# Altium PCB Traffic_Lignt_CU.PcbDoc (part 1 of 3)
Units mm, origin at the board's own origin, x right, y up, seen from the top; angles counter-clockwise.
Board outline 143.95 x 111.95 mm, 2 copper layers (Top Layer, Bottom Layer); 302 components, 196 nets, 839 pads, 465 vias.
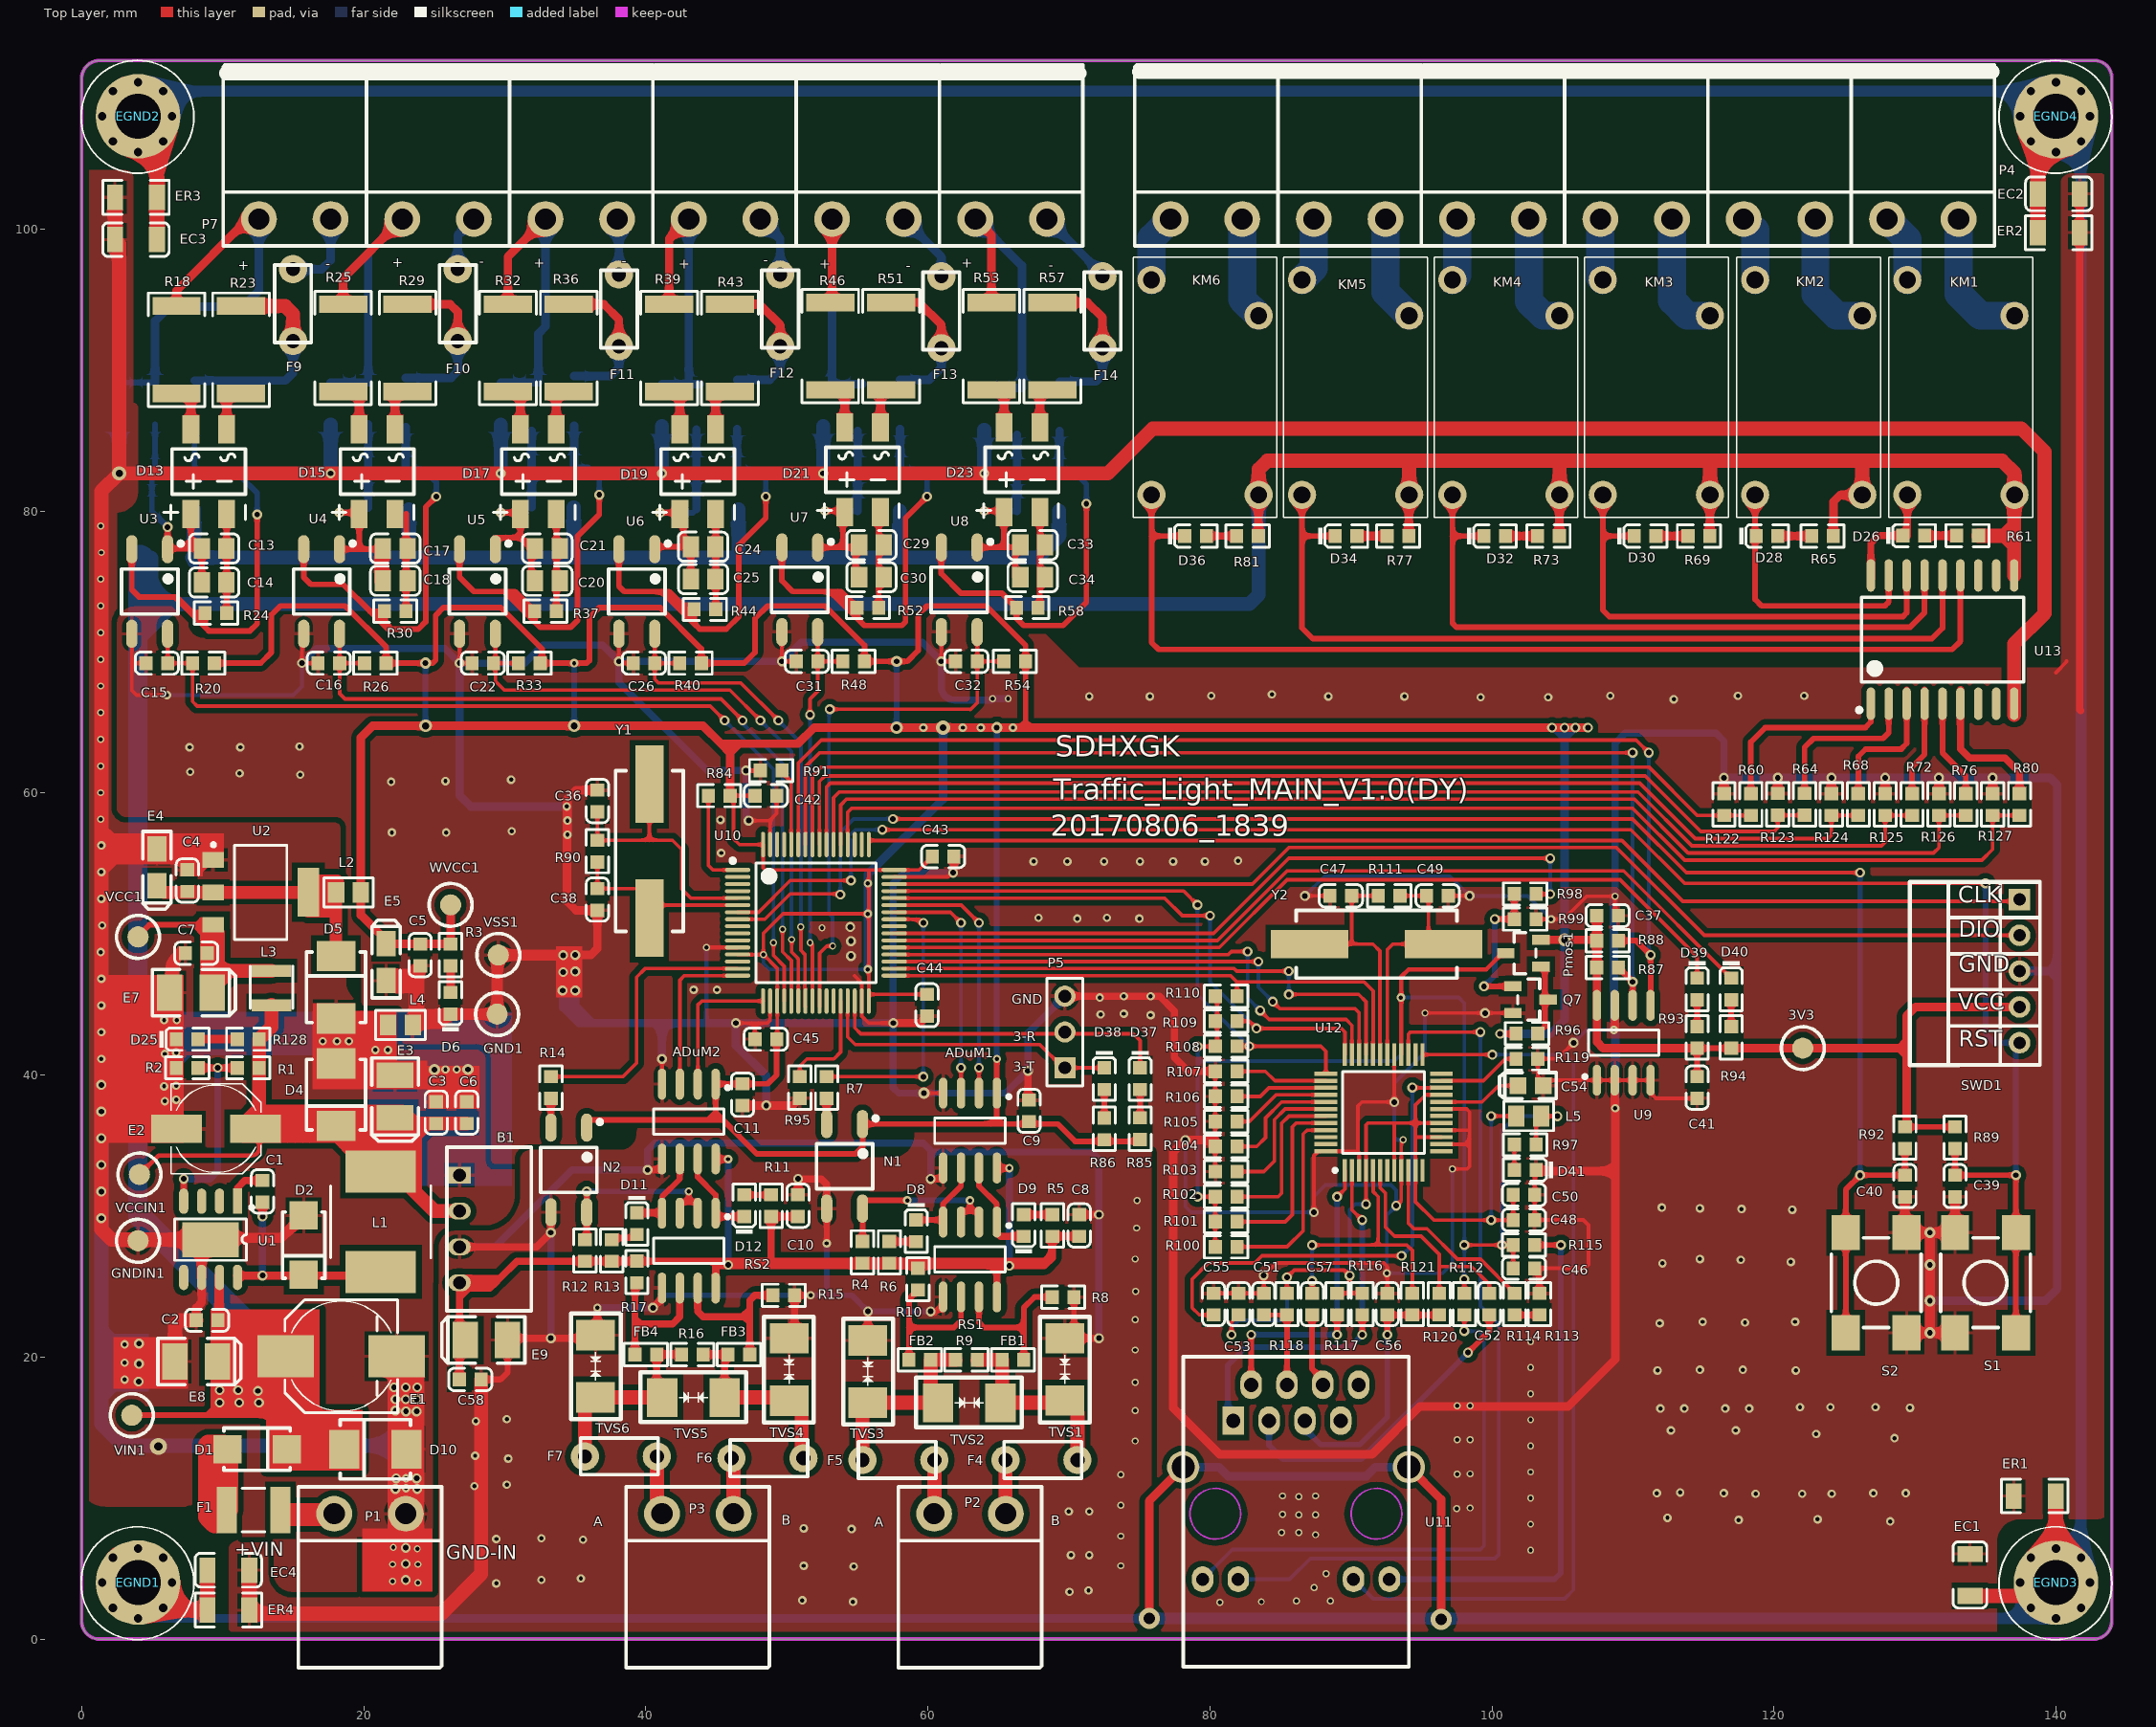
[diagram p0: Top Layer view]
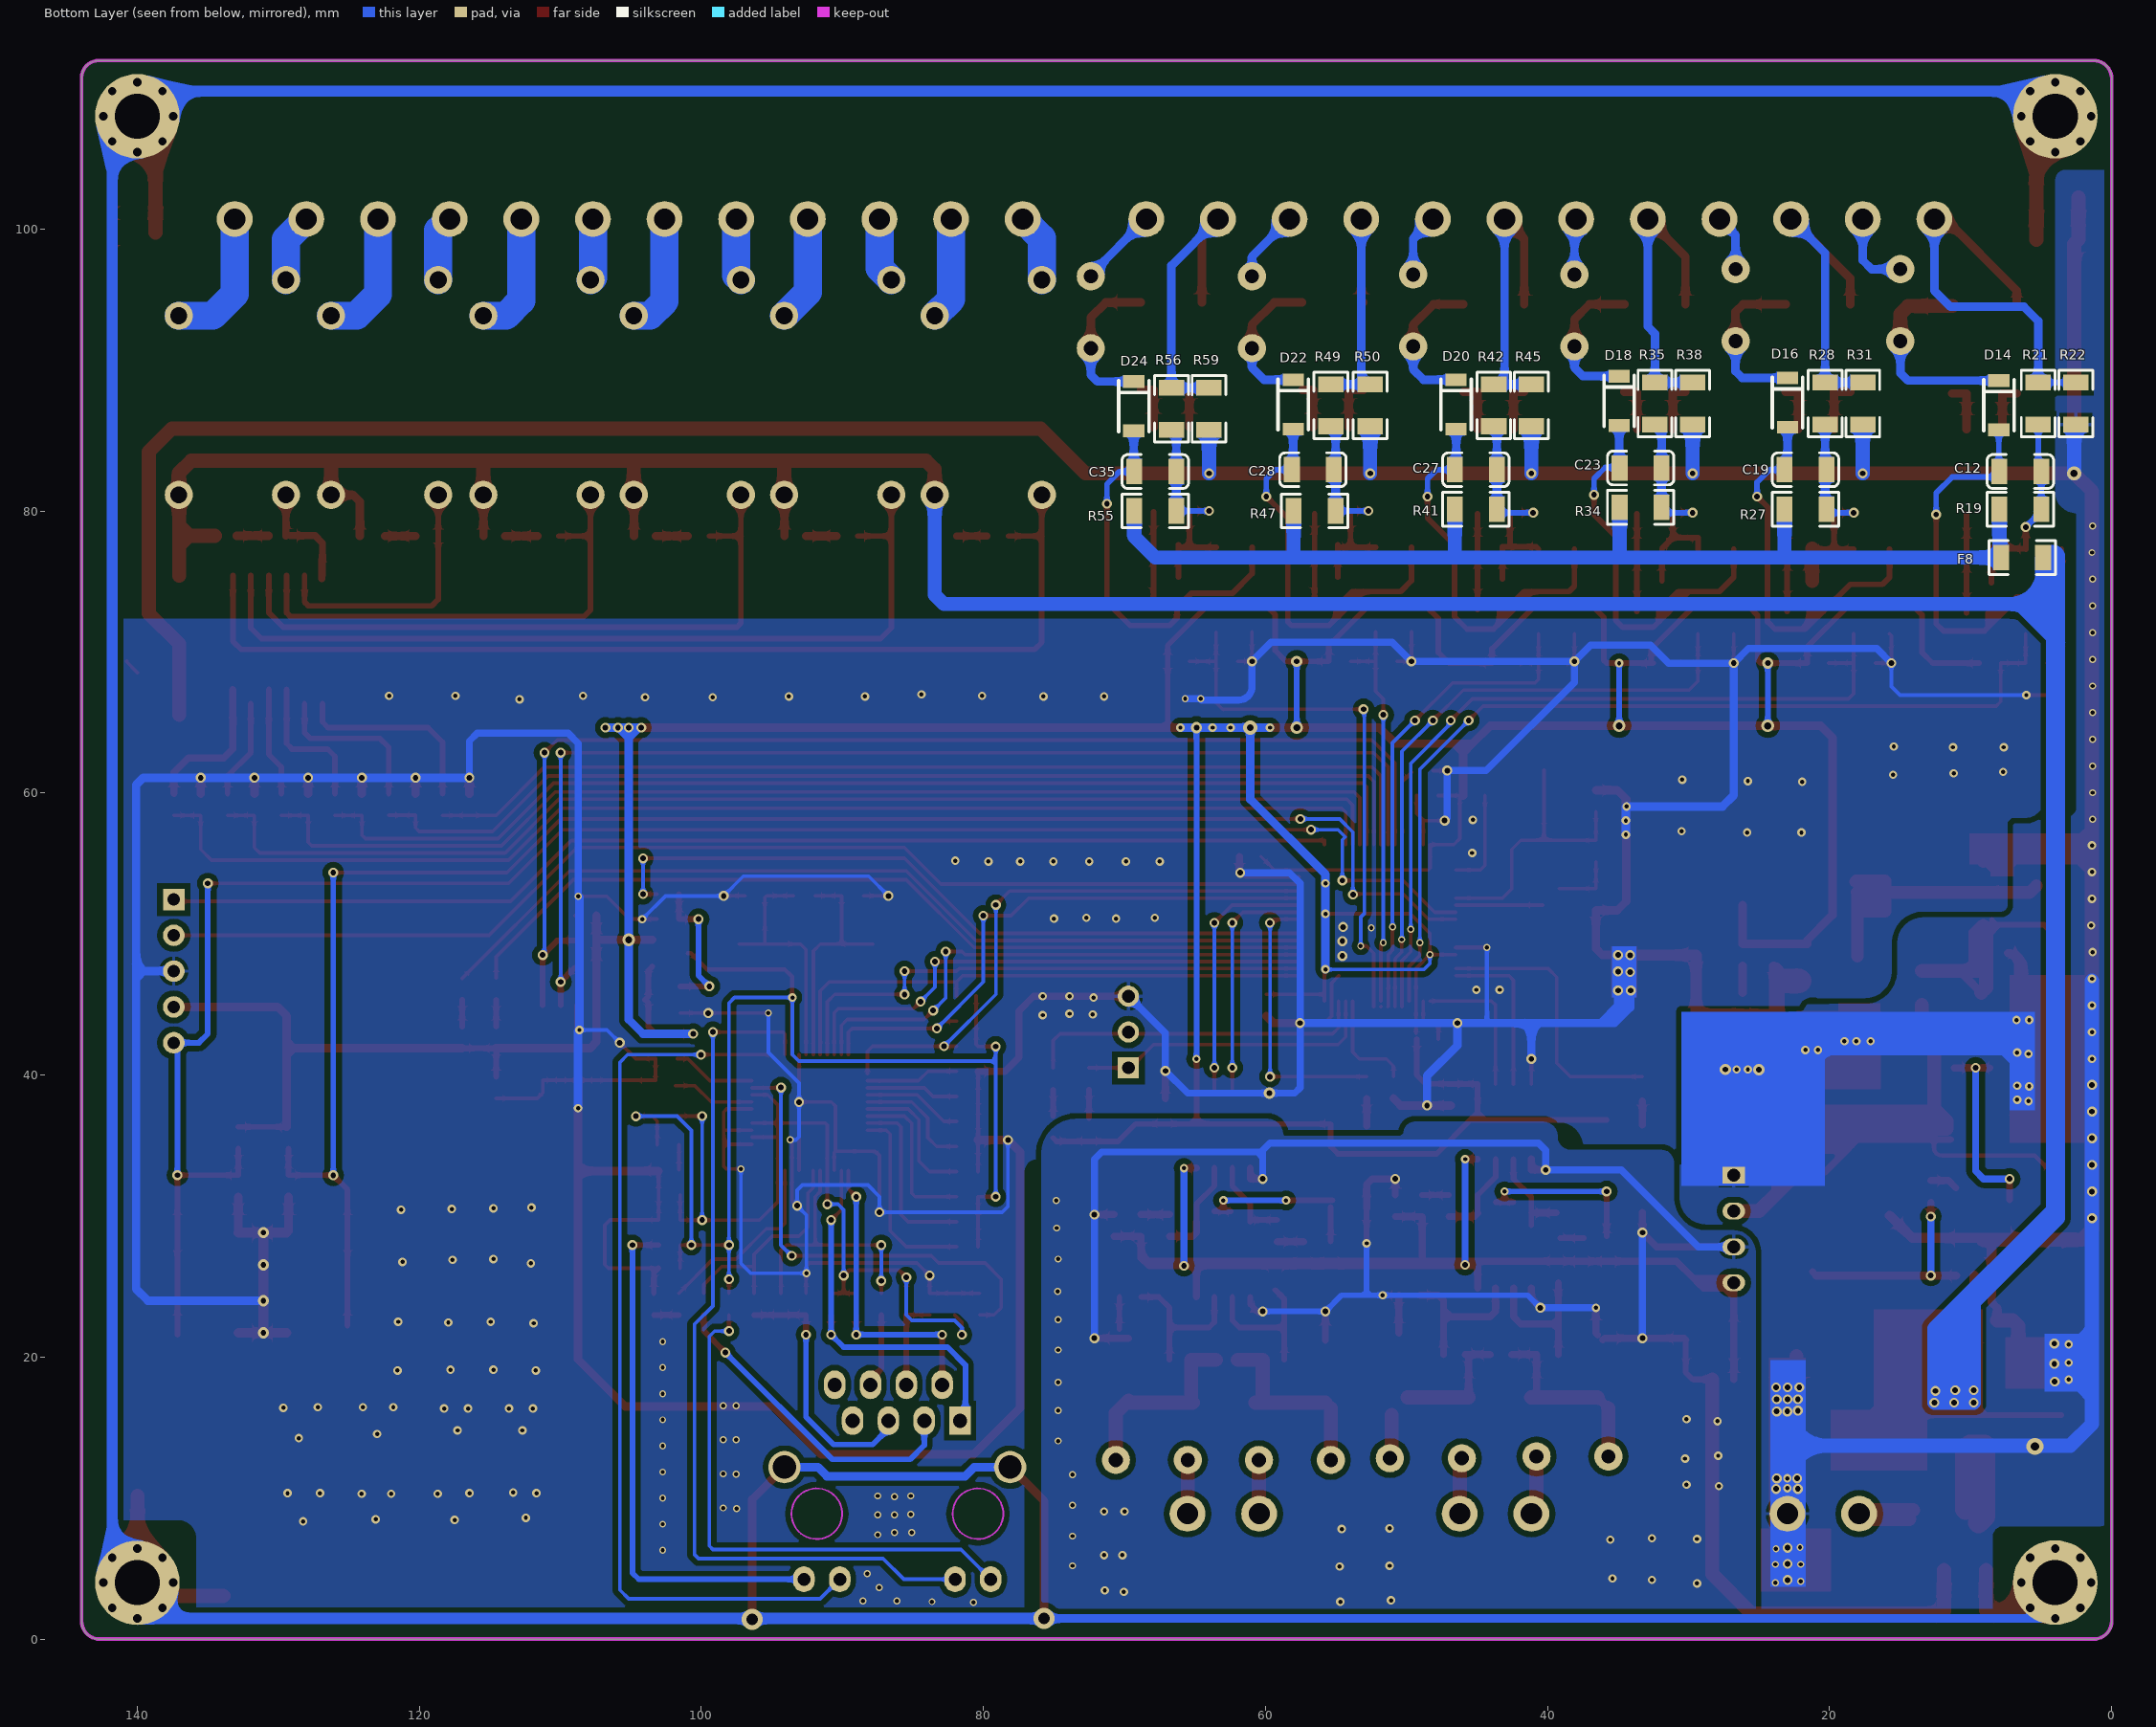
[diagram p1: Bottom Layer view, seen from below]
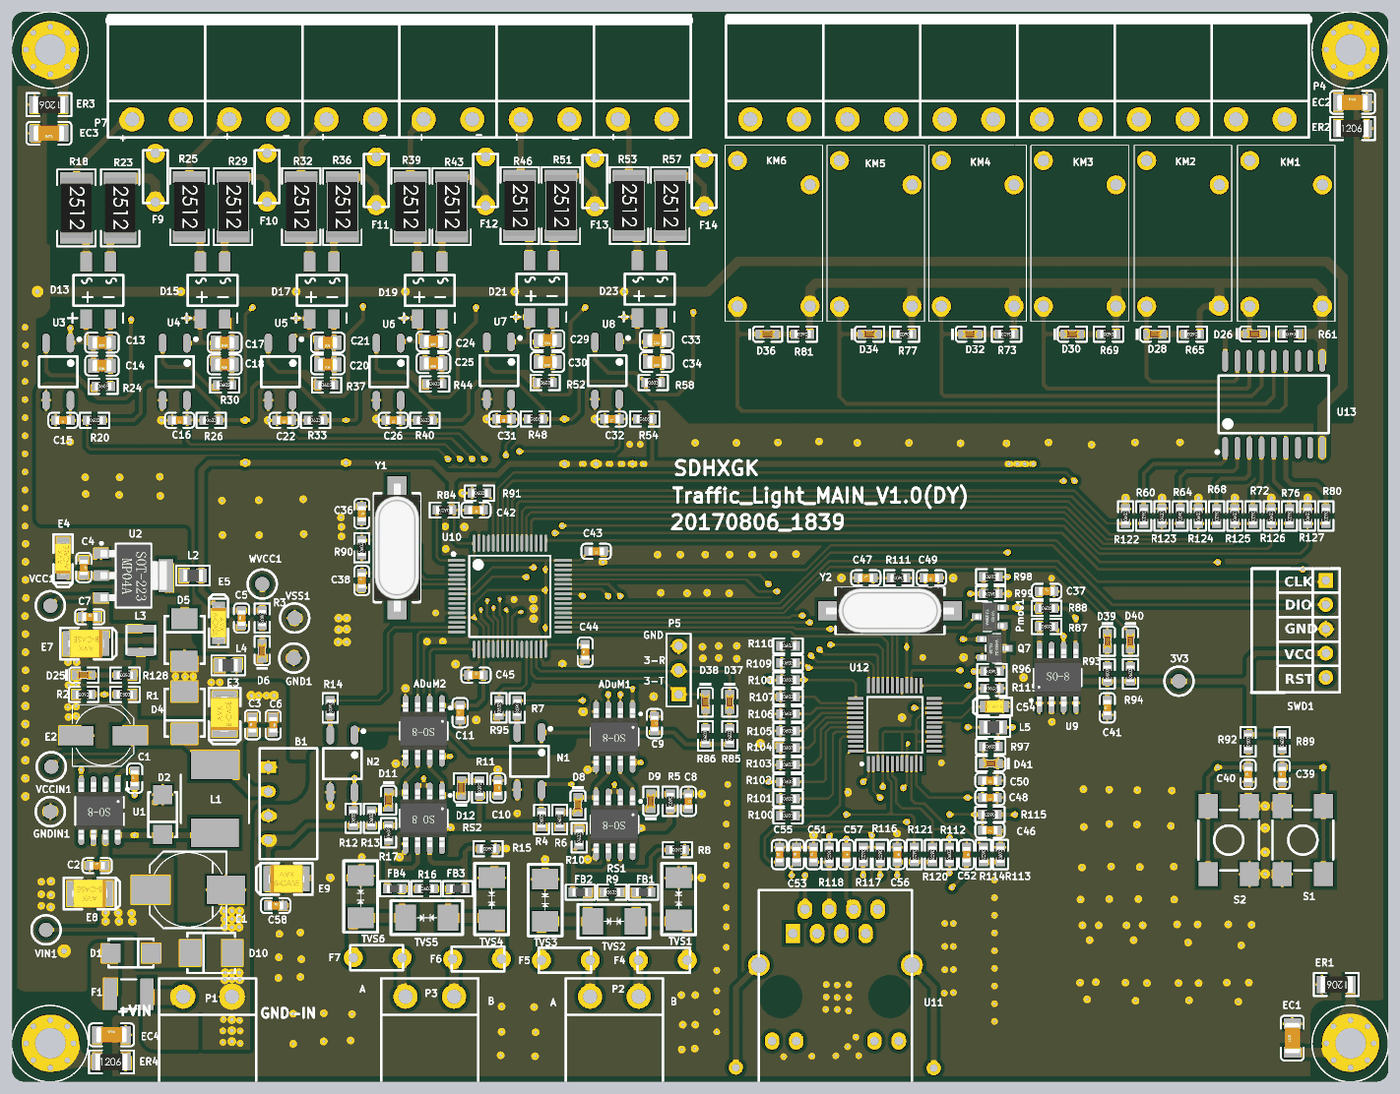
[diagram p4: 3D render of the assembled board from above, using the file's embedded part models]
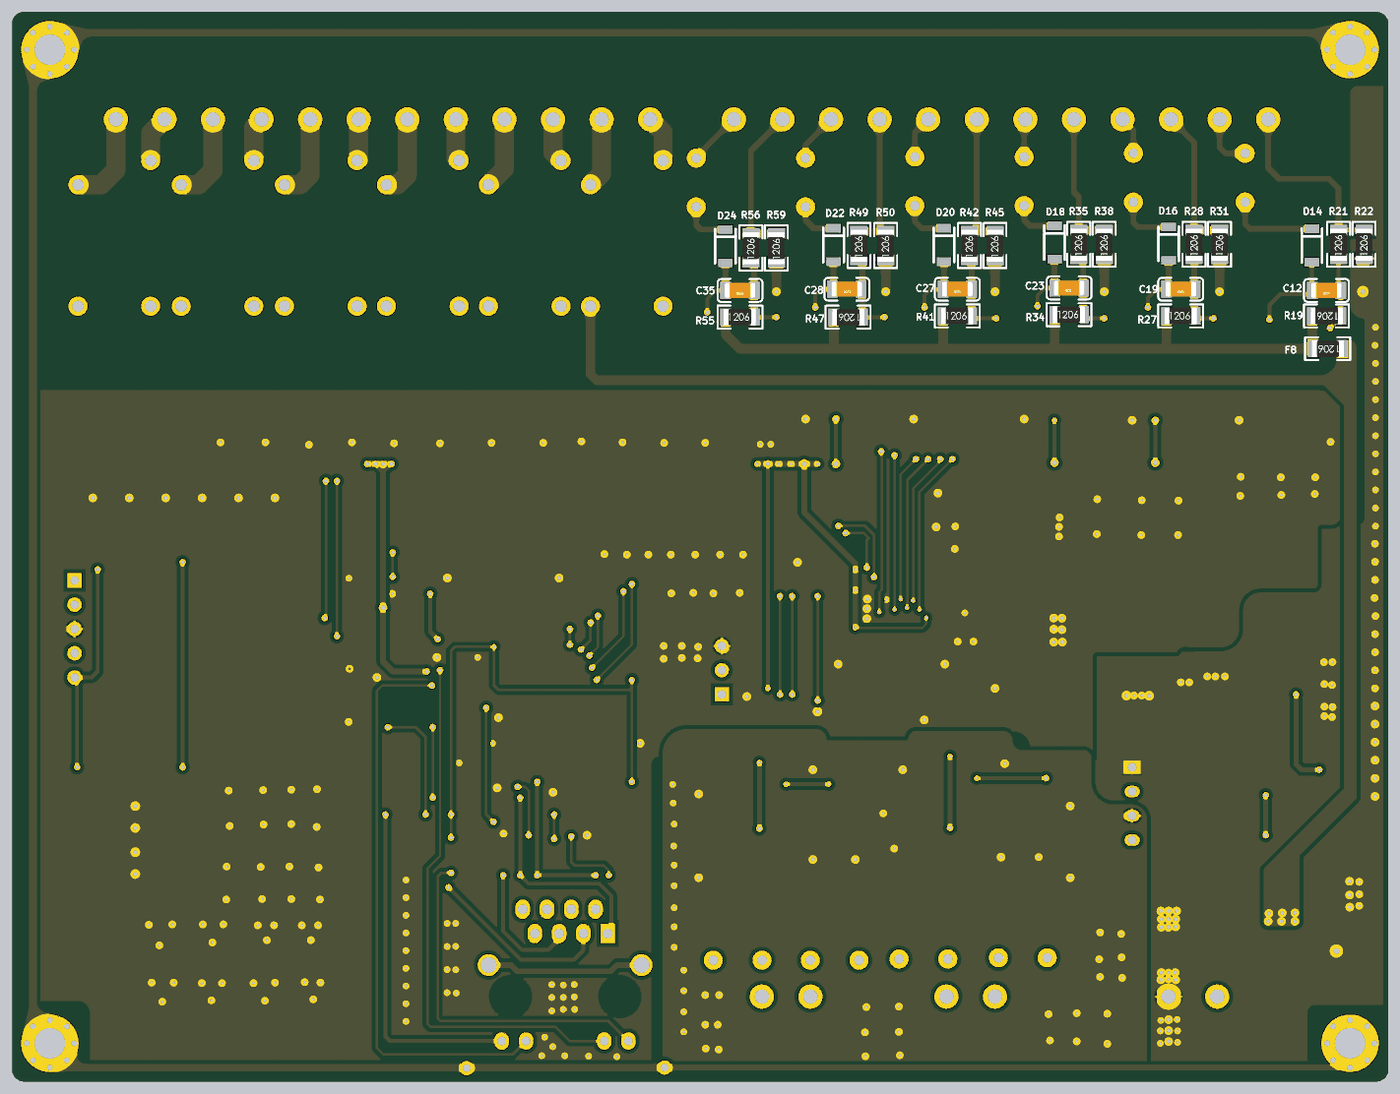
[diagram p5: 3D render of the assembled board from below, using the file's embedded part models]

## Layer stack, top to bottom
Top Solder: solder mask 0.0102, Solder Resist, Dk 3.5
Top Layer: signal copper 0.0356
Dielectric1: dielectric 0.32, FR-4, Dk 4.8
Bottom Layer: signal copper 0.0356
Bottom Solder: solder mask 0.0102, Solder Resist, Dk 3.5

## Board outline
0,1.27 0,110.68 cw(c1.27,110.68) 1.27,111.95 142.75,111.95 cw(c142.75,110.75) 143.95,110.75 143.95,1.27 cw(c142.68,1.27) 142.68,0 1.27,0 cw(c1.27,1.27)

## Design rules (kind name [scope] priority, off if disabled: settings)
AssemblyTestPointUsage UnpouredPolygon [All] p2:
Clearance Clearance-poly [InPolygon] p1: gap=0.4
Clearance Clearance-track [All] p2: gap=0.2
HoleToHoleClearance [All] p1: gap=0.1 allowstackedmicrovias=TRUE
MinimumSolderMaskSliver [All] p1 off: minsoldermaskwidth=0.05
MinimumSolderMaskSliver SilkscreenOverComponentPads [All] p2: minsoldermaskwidth=0.254
MinimumSolderMaskSliver SilkToSolderMaskClearance [IsPad] p3: minsoldermaskwidth=0.05
PolygonConnect PolygonConnect_via [IsVia] p1: connectstyle=Direct reliefconductorwidth=0.254 reliefentries=4 polygonreliefangle="90 Angle" airgapwidth=0.254
PolygonConnect PolygonConnect_pad [All] p2: connectstyle=Relief reliefconductorwidth=0.254 reliefentries=4 polygonreliefangle="90 Angle" airgapwidth=0.254
RoutingVias [All] p1: holewidth=0.5 width=0.5 viastyle="Through Hole" minholewidth=0.3 minwidth=0.5 maxholewidth=1 maxwidth=2
SilkToSilkClearance [All] p1: silktosilkclearance=0
SilkToSolderMaskClearance SilkToSolderMaskClearance_1 [IsPad] p1: minsilkscreentomaskgap=0.254 clearancetoexposedcopper=TRUE
SolderMaskExpansion [All] p1: expansion=0.102
UnpouredPolygon UnpouredPolygon_1 [All] p1:
Width [All] p1: maxlimit=2 minlimit=0.254 preferedwidth=0.4
25 further rules are at their usual default settings.

## Classes and differential pairs
component class W5500: C46 C47 C48 C49 C50 C51 C52 C53 C54 C55 C56 C57 D41 L5 Pmos1 Q1 Q7 R96 R97 R98 R99 R100 R101 R102 R103 R104 R105 R106 R107 R108 R109 R110 R111 R112 R113 R114 R115 R116 R117 R118 R119 R120 R121 U11 U12 Y2
component class STM32F103最小系统板: C36 C37 C38 C39 C40 C41 C42 C43 C44 C45 D31 D33 D37 D38 D39 D40 P5 R79 R82 R83 R84 R85 R86 R87 R88 R89 R90 R91 R92 R93 R94 R95 S1 S2 SWD1 U9 U10 Y1
component class SIX_OUTPORT-V2: D26 D27 D28 D29 D30 D32 D34 D36 KM1 KM2 KM3 KM4 KM5 KM6 P4 R60 R61 R62 R63 R64 R65 R66 R67 R68 R69 R70 R71 R72 R73 R74 R75 R76 R77 R78 R80 R81 R122 R123 R124 R125 R126 R127 U13
component class SIX-INPORT: C12 C13 C14 C15 C16 C17 C18 C19 C20 C21 C22 C23 C24 C25 C26 C27 C28 C29 C30 C31 C32 C33 C34 C35 D13 D14 D15 D16 D17 D18 D19 D20 D21 D22 D23 D24 F8 F9 F10 F11 F12 F13 F14 P7 R18 R19 R20 R21 R22 R23 R24 R25 R26 R27 R28 R29 R30 R31 R32 R33 R34 R35 R36 R37 R38 R39 R40 R41 R42 R43 R44 R45 R46 R47 R48 R49 R50 R51 R52 R53 R54 R55 R56 R57 R58 R59 U3 U4 U5 U6 U7 U8
component class RS485: ADuM1 ADuM2 B1 C3 C8 C9 C10 C11 C58 D8 D9 D11 D12 E3 E9 F4 F5 F6 F7 FB1 FB2 FB3 FB4 N1 N2 P2 P3 R4 R5 R6 R7 R8 R9 R10 R11 R12 R13 R14 R15 R16 R17 RS1 RS2 TVS1 TVS2 TVS3 TVS4 TVS5 TVS6
component class POWER: 3V3 C1 C2 C4 C5 C6 C7 D1 D2 D4 D5 D6 D10 D25 E1 E2 E4 E5 E7 E8 EC1 EC2 EC3 EC4 EGND1 EGND2 EGND3 EGND4 ER1 ER2 ER3 ER4 F1 GND1 GNDIN1 L1 L2 L3 L4 P1 R1 R2 R3 R128 U1 U2 VCC1 VCCIN1 VIN1 VSS1 WVCC1

## Components (designator, comment, footprint, x,y, rotation, side; value= is the part's Value field where it differs from the comment)
3V3 "CHECK" CHECK-B 122.047,41.91 r0 top (schematic designator 1)
ADuM1 "ADuM1201" SOIC-8 62.992,36.068 r270 top
ADuM2 "ADuM1201" SOIC-8 43.053,36.703 r270 top
B1 "B0505" B0505D-1WR2 26.797,32.893 r270 top
C1 "0.01uF" LC-0603_C 12.827,31.75 r90 top
C2 "100nf" LC-0603_C 8.89,22.606 r0 top
C3 "104" LC-0603_C 25.146,37.338 r90 top
C4 "100nf" LC-0603_C 7.5,53.8 r270 top
C5 "100nf" LC-0603_C 24.003,48.514 r90 top
C6 "100nf" LC-0603_C 27.305,37.338 r270 top
C7 "100nf" LC-0603_C 8.128,48.641 r0 top
C8 "104" LC-0603_C 70.739,29.337 r270 top
C9 "104" LC-0603_C 67.183,37.465 r270 top
C10 "104" LC-0603_C 50.8,30.734 r270 top
C11 "104" LC-0603_C 46.863,38.608 r90 top
C12 "104" LC-1206_C 6.477,82.804 r0 bottom
C13 "10uf/16V" LC-0805_C 9.398,77.343 r180 top
C14 "10uf/16V" LC-0805_C 9.398,74.93 r180 top
C15 "104" LC-0603_C 5.334,69.215 r180 top
C16 "104" LC-0603_C 17.526,69.215 r180 top
C17 "10uf/16V" LC-0805_C 22.239,77.343 r180 top
C18 "10uf/16V" LC-0805_C 22.239,75.057 r180 top
C19 "104" LC-1206_C 21.717,82.931 r0 bottom
C20 "10uf/16V" LC-0805_C 33.02,75.057 r180 top
C21 "10uf/16V" LC-0805_C 33.02,77.343 r180 top
C22 "104" LC-0603_C 28.448,69.215 r180 top
C23 "104" LC-1206_C 33.401,83.058 r0 bottom
C24 "10uf/16V" LC-0805_C 44.069,77.47 r180 top
C25 "10uf/16V" LC-0805_C 44.069,75.184 r180 top
C26 "104" LC-0603_C 39.878,69.215 r180 top
C27 "104" LC-1206_C 45.085,82.931 r0 bottom
C28 "104" LC-1206_C 56.642,82.931 r0 bottom
C29 "10uf/16V" LC-0805_C 56.007,77.597 r180 top
C30 "10uf/16V" LC-0805_C 56.007,75.311 r180 top
C31 "104" LC-0603_C 51.435,69.342 r180 top
C32 "104" LC-0603_C 62.738,69.342 r180 top
C33 "10uf/16V" LC-0805_C 67.437,77.597 r180 top
C34 "10uf/16V" LC-0805_C 67.437,75.311 r180 top
C35 "104" LC-1206_C 67.818,82.804 r0 bottom
C36 "22pF" LC-0603_C 36.576,59.436 r270 top
C37 "104" LC-0603_C 108.204,51.308 r0 top
C38 "22pF" LC-0603_C 36.576,52.451 r90 top
C39 "100nf" LC-0603_C 132.842,32.131 r90 top
C40 "104" LC-0603_C 129.286,32.131 r90 top
C41 "100nf" LC-0603_C 114.554,39.116 r90 top
C42 "100nf" LC-0603_C 48.514,59.817 r180 top
C43 "100nf" LC-0603_C 61.087,55.499 r180 top
C44 "100nf" LC-0603_C 59.944,44.958 r90 top
C45 "100nf" LC-0603_C 48.514,42.545 r0 top
C46 "104" LC-0603_C 102.274,26.297 r180 top
C47 "18pF" LC-0603_C 89.289,52.717 r0 top
C48 "104" LC-0603_C 102.274,29.726 r180 top
C49 "18pF" LC-0603_C 96.147,52.717 r180 top
C50 "104" LC-0603_C 102.274,31.504 r180 top
C51 "0.22uF" LC-0603_C 83.82,23.757 r90 top
C52 "6.8nF" LC-0603_C 99.822,23.757 r270 top
C53 "104" LC-0603_C 82.042,23.757 r90 top
C54 "4.7uF" LC-CASE-R_2012 102.743,39.251 r180 top
C55 "103" LC-0603_C 80.264,23.757 r90 top
C56 "103" LC-0603_C 92.583,23.757 r270 top
C57 "6.8nF" LC-0603_C 87.249,23.757 r270 top
C58 "104" LC-0603_C 27.559,18.415 r0 top
D1 "SS34" LC-SMA(DO-214AC)_S1 12.446,13.462 r180 top
D2 "Diode-Z" LC-SMA(DO-214AC)_S1 15.748,27.94 r90 top
D4 "smbj5.0ca" LC-SMB(DO-214AA)_S1 18.034,38.608 r90 top
D5 "smbj3.3ca" LC-SMB(DO-214AA)_S1 18.034,46.228 r270 top
D6 "红灯 0603" LC-0603_LED_S1 26.162,45.085 r90 top
D8 "绿灯 0603" LC-0603_LED_S1 59.182,28.956 r270 top
D9 "绿灯 0603" LC-0603_LED_S1 66.802,29.337 r90 top
D10 "smbj24ca" LC-SMB(DO-214AA)_S1 20.828,13.462 r0 top
D11 "黄灯 0603" LC-0603_LED_S1 39.37,29.464 r270 top
D12 "黄灯 0603" LC-0603_LED_S1 46.99,30.734 r90 top
D13 "MB10S" LC-MBS 9.017,82.804 r90 top
D14 "1N4148" LC-LL-34 8.001,87.503 r270 bottom
D15 "MB10S" LC-MBS 20.955,82.804 r90 top
D16 "1N4148" LC-LL-34 22.987,87.691 r270 bottom
D17 "MB10S" LC-MBS 32.385,82.804 r90 top
D18 "1N4148" LC-LL-34 34.925,87.818 r270 bottom
D19 "MB10S" LC-MBS 43.688,82.804 r90 top
D20 "1N4148" LC-LL-34 46.482,87.564 r270 bottom
D21 "MB10S" LC-MBS 55.372,82.931 r90 top
D22 "1N4148" LC-LL-34 58.039,87.564 r270 bottom
D23 "MB10S" LC-MBS 66.675,82.931 r90 top
D24 "1N4148" LC-LL-34 69.342,87.437 r270 bottom
D25 "LED" LC-0603_LED_S1 7.493,42.545 r0 top
D26 "蓝灯 0603" LC-0603_LED_S1 129.921,78.254 r0 top
D28 "蓝灯 0603" LC-0603_LED_S1 119.507,78.232 r0 top
D30 "蓝灯 0603" LC-0603_LED_S1 110.871,78.232 r0 top
D32 "蓝灯 0603" LC-0603_LED_S1 100.203,78.232 r0 top
D34 "蓝灯 0603" LC-0603_LED_S1 89.662,78.232 r0 top
D36 "蓝灯 0603" LC-0603_LED_S1 78.994,78.232 r0 top
D37 "绿灯 0603" LC-0603_LED_S1 75.057,39.743 r270 top
D38 "绿灯 0603" LC-0603_LED_S1 72.517,39.743 r270 top
D39 "绿灯 0603" LC-0603_LED_S1 114.554,46.101 r270 top
D40 "绿灯 0603" LC-0603_LED_S1 116.967,46.101 r270 top
D41 "黄灯 0603" LC-0603_LED_S1 102.362,33.282 r180 top
E1 "25V/100uf" C-RB-SD8 18.415,20.066 r0 top
E2 "220uF/16V" C-RB-SD6 9.525,36.195 r180 top
E3 "22UF" LC-CASE-B_3528 22.225,38.481 r270 top
E4 "TAJA106M010RNJ" LC-CASE-A_3216 5.334,54.737 r270 top
E5 "TAJA106M010RNJ" LC-CASE-A_3216 21.59,48.006 r90 top
E7 "22uF" LC-CASE-B_3528 7.747,45.847 r0 top
E8 "ELECTRO1" LC-CASE-B_3528 8.128,19.685 r0 top
E9 "22UF" LC-CASE-B_3528 28.702,21.209 r180 top
EC1 "103 200V" LC-1206_C 133.9,4.55 r90 top
EC2 "103 200V" LC-1206_C 140.2,102.5 r0 top
EC3 "103 200V" LC-1206_C 3.85,99.25 r180 top
EC4 "103 200V" LC-1206_C 10.4,4.89 r0 top
EGND1 "EGND" H-6-3.2m#1 4,4 r0 top